# KiCad board Mainboard.kicad_pcb (continued)
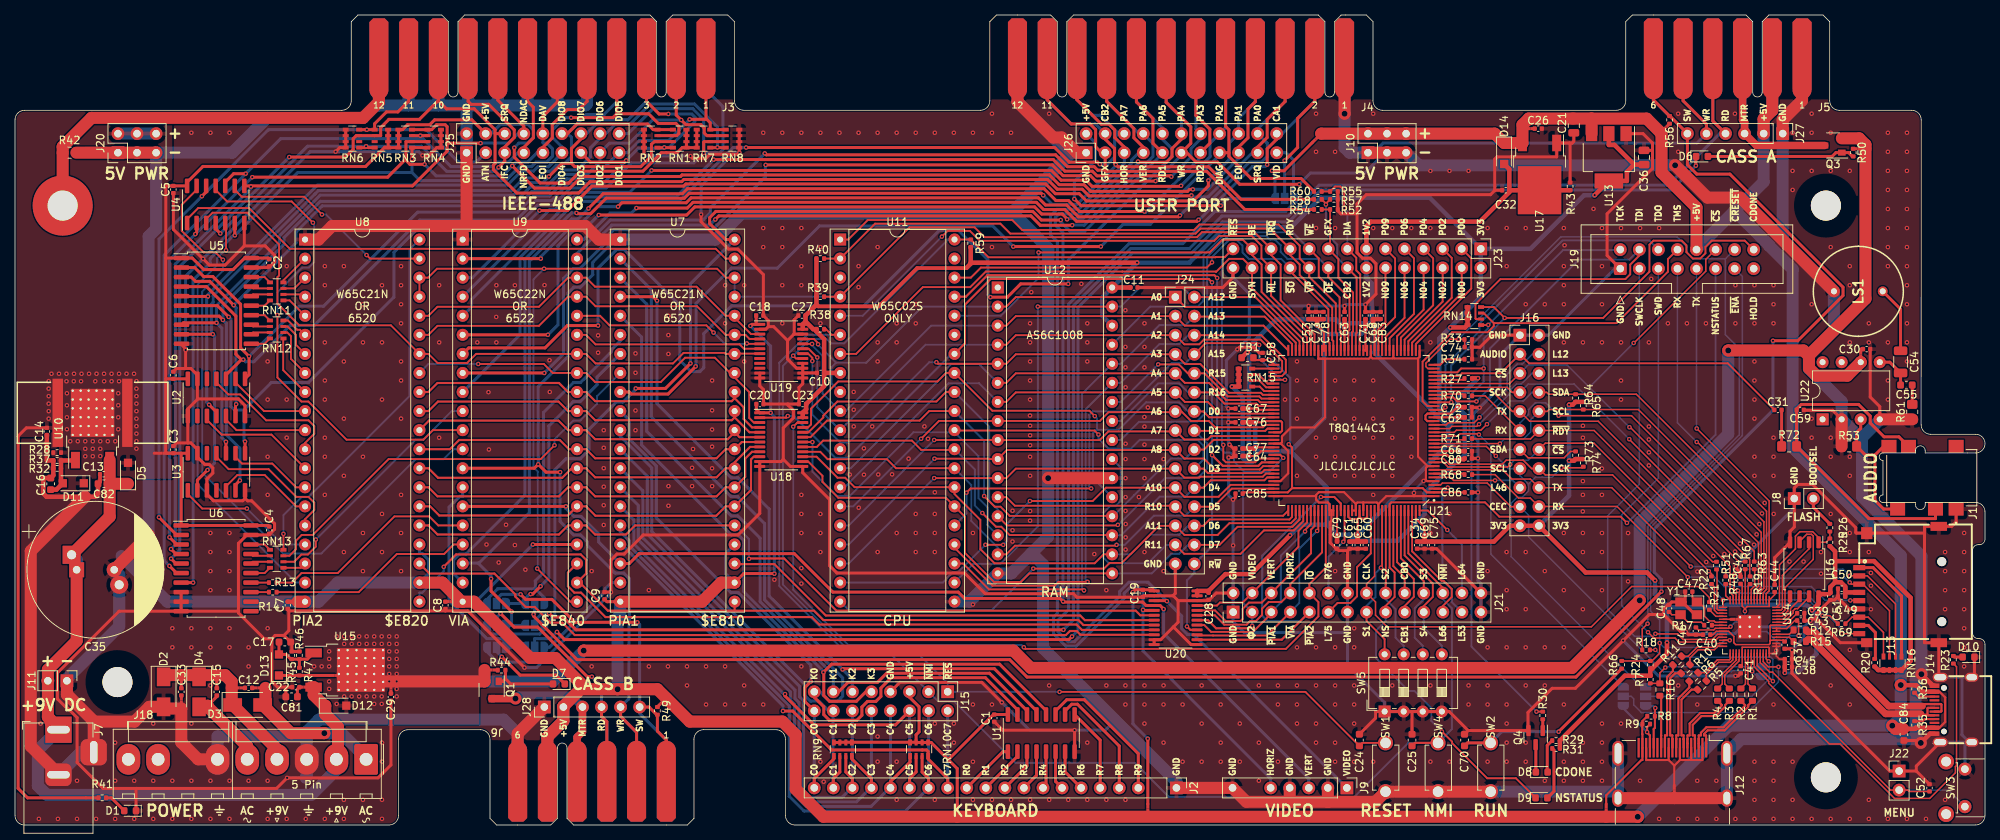
[diagram p0: board, top side]
## Routing (per net, layer and track width the routed paths; a pad name or vN(x,y) marks a point on that pad's centre or on a via; arc(x,y) is an arc through that point) (continued)
/MAGIC/MCU/SD_~{CS}: length 34.3
  Top w0.2: U14.12 229.34,30.71 229.05,31 229.05,33.37 v1(229.12,33.44) ; v1(244.48,33.21) 246.83,33.21 250.57,29.46 RN16.2
  Bottom w0.2: v1(244.48,33.21) 243.59,34.1 229.78,34.1 v1(229.12,33.44)
/MAGIC/MCU/USB/CC1: length 2.8
  Top w0.28: R35.2 254.18,13.83 254.46,14.11 J14.A5
/MAGIC/MCU/USB/CC2: length 2.9
  Top w0.28: J14.B5 253.63,17.11 R36.2
/MAGIC/MCU/USB/USB_D+: length 24.2
  Top w0.2: 238.77,25.86 238.65,25.98 R12.2
  Top w0.3: J14.A6 256.63,15.11 256.7,15.18 256.7,16.04 256.63,16.11 J14.B6 254.44,16.11 254.17,15.85
  Top w0.9: 238.77,25.86 238.9,25.73 239.79,25.73 249.68,15.85 254.17,15.85
/MAGIC/MCU/USB/USB_D-: length 23.2
  Top w0.2: R15.2 238.76,24.56 238.77,24.58
  Top w0.3: J14.B7 254.91,14.61 254.84,14.68 ; J14.A7 254.91,15.61 254.84,15.54 254.84,14.68 ; 254.84,14.68 254.08,14.68 253.95,14.82
  Top w0.9: 253.95,14.82 249.25,14.82 239.37,24.7 238.9,24.7 238.77,24.58
/MAGIC/MCU/XIN: length 6.9
  Top w0.2: U14.20 226.58,27.01 226.4,27.19 225.75,27.19 225.13,27.82 225.13,28.93 224.33,29.72 Y1.1 223.51,30.34 C47.2
/MAGIC/MCU/XOUT: length 1.5
  Top w0.2: U14.21 226.12,26.61 R17.2
/MAGIC/PHI2: length 100.6
  Top w0.28: U20.18 158.96,27.3 160.04,26.22 164.53,26.22 v1(164.86,26.54) ; U11.37 126.71,70.41 129.58,73.28 159.81,73.28 v1(160.18,72.91) ; 167.74,49.33 168.59,49.33 v1(168.99,48.93)
  Bottom w0.28: 163.85,47.02 167.08,47.02 v1(168.99,48.93) ; 163.85,47.02 162.43,48.44 162.43,49.17 161.98,49.62 161.15,49.62 160.75,50.02 160.74,50.02 160.18,50.58 v1(160.18,72.91) ; 163.85,47.02 163.64,46.81 163.64,29.59 J21.3 v1(164.86,26.54)
/MAGIC/R~{W}: length 133.6
  Top w0.28: U18.2 102.75,54.29 v1(102.97,54.5) ; v1(156.16,26.46) 156.62,26 U20.16 ; v1(159.5,72.33) 159.06,72.77 130,72.77 126.59,69.36 126.59,64.19 U11.34 ; 167.74,48.33 166.15,48.33 165.68,47.86 160.94,47.86 v1(159.51,49.29)
  Bottom w0.28: v1(159.5,72.33) 159.49,72.32 159.49,49.31 v1(159.51,49.29) 159.51,37.15 J24.30 157.15,33.6 156.16,32.61 v1(156.16,26.46) ; v1(102.97,54.5) 103.74,54.5 109.31,48.94 110.94,48.94 124.8,62.79 U11.34
/MAGIC/VERT: length 26.2
  Top w0.25: U20.20 159.91,28.6 161.32,27.18 163.31,27.18 163.59,27.46 163.59,28.8 164.42,29.64 166.13,29.64 167.39,30.91 J21.6 172.4,35.92 172.69,36.21 172.69,39.36 173.16,39.84 U21.116
/MAGIC/VIDEO: length 22.1
  Top w0.25: U21.114 172.16,40.33 171.02,39.19 171.02,37.08 J21.4 163.58,29.64 160.56,29.64 160.16,29.25 U20.21
/MAGIC/~{IO_OE}: length 113.8
  Top w0.25: v1(103.7,53.09) 104.25,53.64 U18.22 ; U21.119 174.66,34.29 172.47,32.11 J21.10 173.68,29.71 173.68,27.81 169.34,23.48 134.63,23.48 v1(134.43,23.68)
  Bottom w0.25: v1(103.7,53.09) 103.7,31.34 111.05,23.99 134.12,23.99 v1(134.43,23.68)
/MAGIC/~{PIA1_CS}: length 27.2
  Top w0.25: v1(171.9,39.12) 171.9,39.32 172.66,40.08 U21.115 ; J21.5 167.39,28.18 164.95,25.74 159.38,25.74 158.47,26.65 U20.17
  Bottom w0.25: v1(171.9,39.12) 168.66,35.89 168.66,29.64 J21.5
/MAGIC/~{PIA2_CS}: length 46.6
  Top w0.28: J21.9 172.47,28.37 168.8,24.7 U20.14 ; U21.123 176.66,42.84 175.79,43.72 v1(174.01,43.72)
  Bottom w0.28: v1(174.01,43.72) 166.19,35.9 166.19,27.88 166.92,27.16 171.26,27.16 172.47,28.37 J21.9
/MAGIC/~{VIA_CS}: length 28.8
  Top w0.25: J21.7 166.82,25.26 164.11,25.26 164.11,25.25 159.64,25.25 159.64,25.26 157.61,25.26 U20.15 ; v1(173.5,39.19) 173.66,39.35 U21.117
  Bottom w0.25: v1(173.5,39.19) 171.13,36.81 171.13,29.57 169.94,28.38 J21.7
/POWER/VAC1: length 19.3
  Top w1.6: v2(41.22,12.24) 36.76,12.24 D3.2 33.38,16.37 PT28.1
  Bottom w1.6: v2(41.22,12.24) 43.49,12.24 46.79,8.94 J18.1
/POWER/VAC2: length 10.5
  Top w1.6: 25.67,15.75 30.95,10.48 J18.5 ; 25.67,15.75 PT29.1 ; 25.67,15.75 D4.2
/USER/VIDEO_OR_5V: length 16.2
  Top w0.4: v1(169.18,88.55) 170.91,90.28 170.91,94.17 173.2,96.47 J4.2
  Bottom w0.4: JP10.2 v1(169.18,88.55)
CHASSIS_GND: length 54.1
  Top w1.6: H1.1 R42.1 6.35,90.4 10.19,94.24 46.39,94.24 48.49,96.34 J3.12
FPGA_VCCA: length 52
  Top w0.28: 170.16,44.89 170.16,50.3 v1(169.73,50.74) ; 170.16,44.89 169.6,44.33 163.76,44.33 C85.1 ; 170.16,44.89 187.57,44.89 188.13,44.33 U21.2 C86.1 ; FB1.1 165.33,61.96 167.11,61.96 v1(167.14,61.99) 167.74,61.38 167.74,61.33
  Bottom w0.28: v1(167.14,61.99) 167.5,61.99 169.92,59.57 169.92,50.94 v1(169.73,50.74)
MCU_IOVDD: length 46.7
  Top w0.2: v1(234.69,23.26) 234.29,22.86 U14.42 233.75,23.61 233.67,23.69 230.15,23.69 230.15,21.37 C41.1 ; v1(234.69,23.26) 234.69,22.52 235.11,22.1 C45.1 ; v1(234.69,23.26) 234.7,23.27 U14.43 U14.44 ; 230.51,28.8 v1(230.51,28.5) ; 230.51,28.8 230.82,29.11 233.75,29.11 U14.1 234.47,30.69 C44.1 ; 230.51,28.8 230.15,29.17 230.15,31.93 C42.1 ; U14.49 234.72,26.18 ; 234.72,26.18 234.72,25.85 U14.48 ; 234.72,26.18 236.09,26.18 237.15,27.25 C43.1 237.66,27.06 v1(237.66,25.24) ; v1(228.59,26.43) 228.37,26.21 226.57,26.21 226.35,26 224.31,26 C46.1
  Top w0.56: v1(235.82,20.28) C38.1 C45.1
  Bottom w0.2: v1(228.59,26.43) 229.21,27.05 230.06,27.05 230.51,27.5 ; 235.23,23.97 234.69,23.43 v1(234.69,23.26) ; 235.23,23.97 236.49,25.24 v1(237.66,25.24) ; 235.23,23.97 233.42,25.78 232.26,25.78 231.7,26.34 231.7,26.7 231.42,26.98 231.02,26.98 230.51,27.5 ; 230.51,27.5 230.51,28.49 v1(230.51,28.5)
Net-(C8-Pad1): length 0.1
  Top w0.4: 57.27,29.76 57.35,29.76
Net-(C9-Pad1): length 0.5
  Top w0.4: PT55.2 78.87,29.76 C9.1
Net-(C12-Pad1): length 0.1
  Top w0.4: PT28.2 C12.1
Net-(C12-Pad2): length 0.1
  Top w0.4: C12.2 PT32.2
Net-(C15-Pad1): length 0
  Top w0.4: C15.1 PT30.2
Net-(C15-Pad2): length 0.2
  Top w0.4: PT29.2 26.89,17.11 C15.2
Net-(C16-Pad1): length 7.1
  Top w0.6: C16.1 5.52,44.69 D11.2 6.12,45.78 R32.1 R37.1 8,48.58 U10.1
Net-(C17-Pad1): length 8
  Top w0.4: U15.1 38.96,22.1 R46.1 ; R46.1 R45.1 36.75,22.1 36.12,22.73 35.18,22.73 ; R46.1 R47.2 ; 35.18,22.73 D13.2 ; 35.18,22.73 C17.1
Net-(C18-Pad1): length 43.8
  Top w0.4: PT12.2 101.17,33.51 v1(101.19,33.49) ; v1(97.99,66.52) 98.2,66.72 98.76,66.72 ; 98.76,66.72 C18.1 ; 98.76,66.72 U19.1 ; v1(100.69,54.93) 99.24,54.93 U18.1 98.78,55.4 C20.1
  Bottom w0.4: v1(97.99,66.52) 100.69,63.82 v1(100.69,54.93) 101.19,54.43 v1(101.19,33.49)
Net-(C19-Pad1): length 32.1
  Top w0.4: v1(148.96,31.05) 149.26,31.35 C19.1 151.63,31.35 U20.1 ; PT13.2 150.95,11.49 v1(150.94,11.5)
  Bottom w0.4: v1(150.94,11.5) 148.96,13.48 v1(148.96,31.05)
Net-(C22-Pad1): length 1.4
  Top w0.4: C22.1 37.63,18.1 37.63,17.1 C81.1
Net-(C26-Pad1): length 0.1
  Top w0.4: PT14.2 C26.1
Net-(C29-Pad1): length 0.1
  Top w0.4: C29.1 PT25.2
Net-(C30-Pad1): length 0.3
  Top w0.4: C30.1 245.98,63.42 PT35.2
Net-(C31-Pad2): length 4.9
  Top w0.4: C31.2 R72.1
Net-(C33-Pad1): length 0
  Top w0.4: PT27.2 C33.1
Net-(C33-Pad2): length 0
  Top w0.4: PT31.2 C33.2
Net-(C48-Pad2): length 5.4
  Top w0.2: C48.2 220.77,28.02 Y1.3 222.93,27.02 224.69,27.02 R17.1
Net-(C54-Pad1): length 5
  Top w0.4: U22.5 249.82,61.68 C54.1 C55.1
Net-(C54-Pad2): length 8.9
  Top w0.4: LS1.1 251.25,68.74 C54.2
Net-(C55-Pad2): length 2.6
  Top w0.4: 252.8,58.63 R61.1
Net-(C59-Pad1): length 46.8
  Top w0.4: J1.2 251.03,51.74 249.05,51.74 247.21,53.58 247.21,54.5 245.66,56.05 238.01,56.05 237.4,55.44 C59.1 R72.2 247.03,40.83 255.9,40.83 J1.3
Net-(C70-Pad1): length 25.2
  Top w0.4: C70.1 193.55,10.94 SW2.2 ; v1(205.69,12.43) 205.69,12.44 R66.1
  Bottom w0.4: v1(205.69,12.43) 198.11,12.43 SW2.2
Net-(D1-Pad2): length 3.1
  Top w0.4: R41.2 12.83,3.62 D1.2
Net-(D6-Pad1): length 209.3
  Top w0.4: D6.1 223.98,89.08 v1(223.98,87.87) ; v1(72.22,25.73) 73.24,24.71 140.43,24.71 v1(140.85,25.13)
  Bottom w0.4: JP5.2 69.25,24.83 71.32,24.83 v1(72.22,25.73) ; v1(140.85,25.13) 141.64,25.92 141.64,68.96 148.91,76.23 156.75,76.23 160.89,80.37 169.72,80.37 173.99,84.64 220.75,84.64 v1(223.98,87.87)
Net-(D6-Pad2): length 19.8
  Top w0.4: 244.94,89.1 244.83,89.1 244.33,89.61 242.64,89.61 242.13,89.1 D6.2
Net-(D7-Pad1): length 11.5
  Top w0.4: D7.1 72.08,19.98 67.3,19.98 v1(64.86,22.41)
  Bottom w0.4: JP6.2 64.17,23.11 v1(64.86,22.41)
Net-(D7-Pad2): length 8.8
  Top w0.4: D7.2 66.04,18.8 65.35,19.49 ; 65.35,19.49 65,19.14 Q1.1 ; 65.35,19.49 R44.2
Net-(D8-Pad1): length 3.7
  Top w0.4: D8.1 202.65,10.68 Q4.3
Net-(D8-Pad2): length 4.5
  Top w0.4: R29.1 204.81,11.25 204.17,10.61 204.17,7.11 D8.2
Net-(D9-Pad2): length 7
  Top w0.4: R31.1 205.07,9.97 205.07,4.49 D9.2
Net-(D10-Pad2): length 1.3
  Top w0.4: D10.2 258.44,22.38 R23.2
Net-(D13-Pad1): length 6.8
  Top w0.4: D13.1 R47.1 PT23.2
Net-(J1-Pad5): length 18.6
  Top w0.4: 247.83,49.3 246.55,49.3 R53.1 245.4,52.32 245.94,52.86 U22.3 ; 247.83,49.3 248.99,50.46 J1.5 ; 247.83,49.3 247.83,43.26 248.99,42.11 J1.6
Net-(J8-Pad2): length 4.3
  Top w0.4: R26.1 239.63,42.33 J8.2
Net-(J13-Pad1): length 15.3
  Top w0.4: J13.1 245.74,34.3 247.59,34.3 251.38,30.51 RN16.1
Net-(J13-Pad7): length 9.5
  Top w0.2: R69.1 244.78,27.7 246.94,27.7 248.97,25.67 RN16.4
Net-(J13-Pad8): length 6.1
  Top w0.4: J13.8 246.94,26.6 247.89,25.65 247.89,22.23 R20.2
Net-(PT4-Pad2): length 0.1
  Top w0.4: PT4.2 R41.1
Net-(PT6-Pad2): length 4.4
  Bottom w0.4: PT6.2 94.69,36.18 U7.24
Net-(PT7-Pad2): length 16.7
  Top w0.4: v1(69.01,37.38) U9.24
  Bottom w0.4: v1(69.01,37.38) 61.39,29.76 PT7.2
Net-(PT8-Pad2): length 4.6
  Bottom w0.4: PT8.2 55.09,35.35 54.26,36.18 53.89,36.18 U8.24
Net-(PT16-Pad2): length 0
  Top w0.4: R49.1 85.58,15.72 PT16.2
Net-(PT22-Pad2): length 0.1
  Top w0.4: PT22.2 64.3,20.67 R44.1
Net-(Q4-Pad1): length 1.5
  Top w0.4: Q4.1 R30.1
Net-(R13-Pad1): length 2.4
  Top w0.25: U6.14 R13.1
Net-(R14-Pad1): length 2.4
  Top w0.25: U6.13 R14.1
Net-(RN11-Pad1): length 2.8
  Top w0.25: RN11.1 33.26,73.02 U5.18
Net-(RN11-Pad2): length 2.6
  Top w0.25: U5.17 31.73,71.51 RN11.2
Net-(RN11-Pad3): length 2.6
  Top w0.25: RN11.3 31.72,70.71 U5.16
Net-(RN11-Pad4): length 2.8
  Top w0.25: RN11.4 33.27,69.21 U5.15
Net-(RN12-Pad1): length 2.8
  Top w0.25: U5.14 33.27,67.94 RN12.1
Net-(RN12-Pad2): length 2.6
  Top w0.25: U5.13 31.72,66.44 RN12.2
Net-(RN12-Pad3): length 2.6
  Top w0.25: RN12.3 31.73,65.64 U5.12
Net-(RN12-Pad4): length 2.8
  Top w0.25: RN12.4 33.26,64.13 U5.11
Net-(RN13-Pad1): length 2.8
  Top w0.25: RN13.1 33.26,37.38 U6.18
Net-(RN13-Pad2): length 2.6
  Top w0.25: RN13.2 31.67,35.88 U6.17
Net-(RN13-Pad3): length 2.6
  Top w0.25: U6.16 31.68,35.08 RN13.3
Net-(RN13-Pad4): length 2.8
  Top w0.25: 31.44,33.57 33.26,33.57 RN13.4

## Copper pours and planes (outline as drawn; the poured copper is in the pictures)
+5V on Top: 257.39,12.66 256.39,12.66 256.39,18.07 257.39,18.07
+5V on Top: 20.96,46.14 10.41,46.15 10.41,44.32 5.38,44.32 5.38,48.9 4.92,48.9 4.67,49.27 4.67,51.71 -0.09,51.71 -0.05,95.31 20.96,95.31
+5V on Bottom: 18.11,20.08 -0.08,20.05 -0.05,95.31 18.11,95.31
+6V on Top: 61.85,13.4 38.22,13.4 38.22,28.08 61.85,28.08
+6V on Bottom: 63.36,13.3 34.61,13.3 34.61,28.14 63.36,28.14
GND on Top, Bottom: 262.56,-0.06 102.61,-0.06 102.61,11.16 51.15,11.35 51.15,-0.05 -0.05,-0.05 -0.05,96.71 262.56,96.71
MCU_IOVDD on Top: 235.29,23.15 236.1,22.37 236.1,20.08 235.54,20.08 235.54,21.27 234.64,22.16 233.65,22.16 233.65,24.31 235.29,24.31
Net-(C16-Pad1) on Top: 6.4,48.84 6.4,48.26 5.69,48.26 4.84,49.1 4.84,49.95 5.69,49.95

## Text on the board
B.Silkscreen: N | M | L | K | J | F | H | E | D | C | B | A | 1 | 2 | CASSETTE | RD | SW | MTR | +5V | PIN 2 | VID | SDA | SCL | CEC
F.Silkscreen: 12 | 11 | 10 | 6 | 3 | 1 | 2 | GND | R10 | R11 | A10 | A11 | A0 | A1 | A2 | A3 | A4 | A5 | A6 | A7 | A8 | A9 | D0 | D1 | D2 | D3 | D4 | D5 | D6 | D7 | R~{W} | A12 | A13 | A14 | A15 | R15 | R16 | AUDIO | SCK | CEC | SDA | SCL | 3V3 | L46 | ~{CS} | RX | TX | L12 | L13 | ~{RDY} | +5V | ATN | SRQ | IFC | NDAC | NRFD | DAV | EOI | DIO8 | DIO4 | DIO7 | DIO3 | MTR | DIO6 | DIO2 | RD | DIO5 | DIO1 | WR | SW | K0 | C0 | K1 | C1 | K2 | C2 | K3 | C3 | C4 | C5 | C6 | ~{NMI} | C7 | ~{RES} | R0 | R1 | R2 | R3 | R4 | R5 | R6 | R7 | CB2 | GFX | R8 | PA7 | HOR | R9 | PA6 | VER | PA5 | RD1 | PA4 | PA3 | RD2 | PA2 | DIAG | PA1 | BE | SYN | VIDEO | PA0 | HORIZ | VERT | ~{IRQ} | ~{ML} | ~{PIA1} | CA1 | VID | RDY | ~{SO} | ~{VIA} | ~{WE} | ~{VP} | ~{IO} | ~{PIA2} | R76 | L75 | ~{OE} | DIA | 1V2 | CLK | S1 | P09 | N09 | S2 | NS | P06 | N06 | CB0 | CB1 | P04 | N04 | S3 | S4 | P02 | N02 | L66 | P00 | N00 | L64 | L53 | TCK | TDI | SWCLK | TDO | SWD | TMS | NSTATUS | ~{CRESET} | ~{ENA} | CDONE | HOLD | BOOTSEL | OR / 6520 | OR / 6522 | ONLY | JLCJLCJLCJLC | AC | +9V | FLASH | MENU | Φ | ∿ | ⏚ | PIA2 | $E820 | VIA | $E840 | PIA1 | $E810 | CPU | RAM | +9V DC | 5V PWR | POWER | IEEE-488 | CASS B | KEYBOARD | USER PORT | RESET | NMI | RUN | CASS A | + | -
